# Allegro board RV1126B_mainboard.brd (continued)
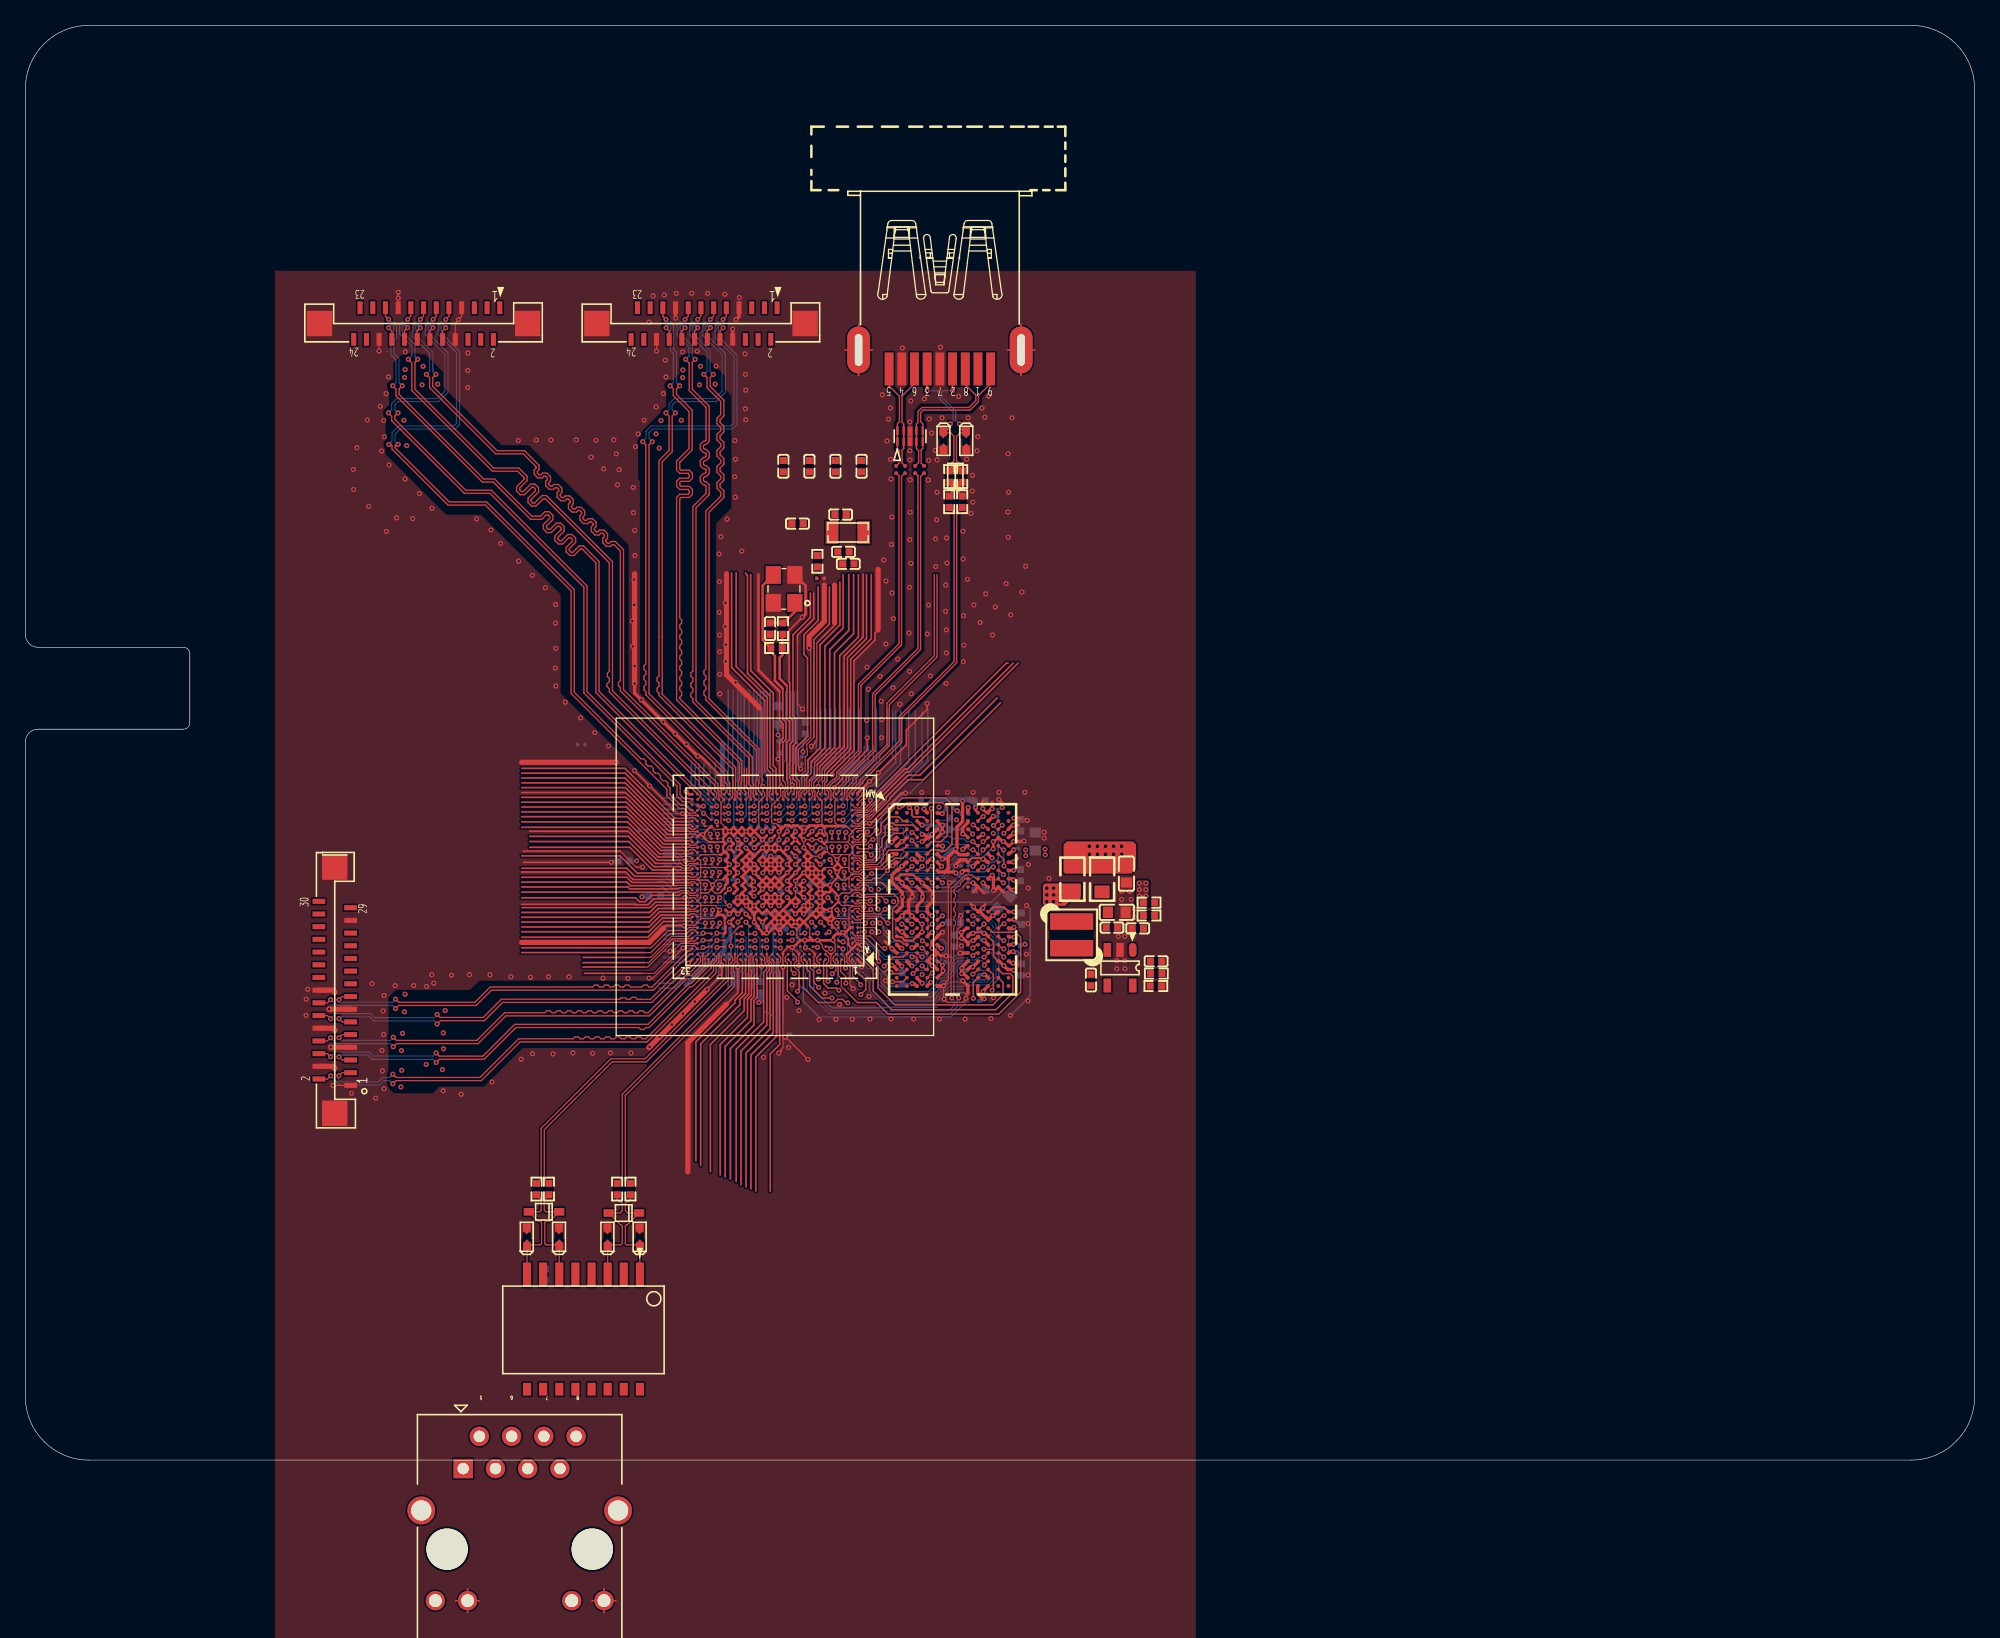
[diagram p0: board, top side]
## Routing (per net, layer and track width the routed paths; a pad name or vN(x,y) marks a point on that pad's centre or on a via; arc(x,y) is an arc through that point) (continued)
  TOP w0.097: 28.49,87.36 28.48,87.36 ; 57.84,59.25 58.01,59.08 58.01,53.17 58.08,53.1 v1(58.08,53.07) 58.08,53.05 58.1,53.02 58.1,52.71 ; v1(54.89,53.01) 54.89,53.01
  TOP w0.102: 29.36,92.01 v1(29.36,92.02) 29.36,92.02 29.36,92.01 ; U1000.1C2 64.02,41.61 63.67,41.96 U1000.1D3 ; J5400.16 24.22,37.03 24.22,37.03 ; 60.24,32.95 v1(61.62,31.57) ; J5400.4 23.25,31.03
  TOP w0.114: J2501.10 79.49,87.48 ; J2501.10 78.41,89.5 ; J2501.10 77.34,87.48 ; J2501.10 78.41,85.45 ; 45.56,-12.02 J6500.12 ; J6500.12 46.5,-11.08 ; J6500.12 45.56,-10.14 ; J6500.12 44.62,-11.08 ; 64.54,87.48 J2501.11 ; J2501.11 65.61,89.5 ; J2501.11 66.69,87.48 ; J2501.11 65.61,85.45 ; 65.19,37.2 v1(65.19,37.14) ; 33.88,-11.08 J6500.10 ; J6500.10 34.82,-10.14 ; J6500.10 34.82,-12.02 ; J6500.10 35.76,-11.08 ; v1(70.62,42.23) v1(70.62,41.61)
  TOP w0.127: 59.39,60.57 59.39,58.28 59.66,58.01 59.66,56.88 59.39,56.61 59.39,55.36 v1(59.26,55.23) 59.39,55.1 59.39,53.76 ; U1000.1V23 53.52,48.96 53.78,48.7 54.93,48.7 54.96,48.72 ; v1(53.68,37.08) v1(54.68,38.08) 54.83,38.24 v1(54.83,38.97) ; 52.16,50.78 51.91,50.78 v1(51.76,50.94) ; 39.21,47.99 46.83,47.99 ; v1(46.14,47.1) 39.21,47.1 ; 62.82,54.56 64.48,56.22 64.48,63.36 65.98,64.86 65.98,69.79 ; 60.8,64.5 60.8,65.01 62.07,66.28 62.07,68.31 ; 47.96,54.32 50.36,51.92 ; 52.22,45.74 47.85,45.74 47.25,46.34 39.08,46.34 ; 63.71,53.04 64.35,53.68 64.35,54 66.3,55.95 v1(66.3,56.91) ; v1(70.62,42.23) 70.54,42.23 U3300.P3 ; v1(63.53,54) 63.52,54.02 63.49,54.02 63.42,54.08 65.24,55.9 65.24,62.97 66.9,64.62 66.9,65.16 67.15,65.42 ; 51.53,47.27 49.75,47.27 47.47,49.55 39.72,49.55 ; 66.59,50.18 68.98,52.56 v1(69.31,52.56) ; U1000.1A10 60.02,40.39 59.65,40.02 U1000.B15 ; v1(57.97,38.92) 57.97,38.94 ; v1(61.18,66.41) 60.14,65.36 60.14,61.3 60.19,61.25 60.19,58.53 60.42,58.3 60.42,56.63 60.19,56.4 60.19,53.75 ; 54.89,52.92 54.78,53.03 54.78,53.87 53.83,54.82 ; 59.53,32.37 59.53,32.27 v1(59.33,32.06) ; 62.7,64.75 63.72,65.77 63.72,65.97 ; 52.22,49.3 50.58,49.3 47.28,52.6 39.08,52.6 ; 50.26,41.93 50.47,42.15 51.72,42.15 ; U3300.W11 76.24,39.69 76.24,40.84 U3300.T10 ; 55.21,35.93 56.1,36.81 v1(56.1,38.85) ; v1(71.01,59.62) 71.01,59.15 69.38,57.52 69.38,56.37 v1(67.17,54.16) ; 51.34,44.22 49.5,44.22 49.04,43.76 48.1,43.76 48.07,43.79 39.08,43.79
  TOP w0.152: U1000.2B13 55.07,42.65 55.07,42.11 U1000.2A13 ; v1(74.62,41.51) 74.7,41.58 75.34,41.58 75.42,41.51 v1(75.5,41.51) ; 54.77,44.76 55.07,45.06 55.07,45.26 U1000.2F13 ; U3300.G8 74.54,47.43 75.32,47.43 75.39,47.36 v1(75.42,47.36) ; U3300.J3 69.9,46.13 68.94,46.13 U3300.J1 ; v1(63.92,44.32) 63.92,44.31 64.02,44.2 U1000.1H2 63.97,43.96 63.36,43.35 v1(63.35,43.35) 63.52,43.18 U1000.1F3 ; U3300.T1 68.67,41.21 68.98,41.21 69.25,40.94 69.9,40.94 U3300.T3 ; v1(54.12,45.32) 54.13,45.31 54.13,45.06 U1000.1K22 ; v1(63.35,45.32) 63.38,45.32 U1000.1M2 ; U1000.C2 64.8,40.6 64.8,41.11 64.38,41.53 v1(64.38,41.58)
  TOP w0.169: 59.28,50.02 59.44,49.86 U1000.2N6
  TOP w0.178: 63.68,46.61 63.68,46.7 63.94,46.96 U1000.1P2 64.29,46.7 64.29,46.7 63.92,46.32 v1(63.92,46.32) ; 63.68,46.61 63.68,46.59 63.91,46.35 ; 63.68,46.61 63.91,46.38 63.91,46.35 ; U1000.AD31 52.93,49.11 53.11,49.28 53.34,49.28 53.37,49.32 ; 54.96,45.79 U1000.2G13 ; 54.67,47.71 54.81,47.71 55,47.91 U1000.2K13 54.94,48.1 54.94,48.37 U1000.2L13 54.96,48.72 54.96,49.04 U1000.2M13 54.96,49.37 54.96,49.69 U1000.2N13 ; 63.91,46.35 63.91,46.32 v1(63.92,46.32) ; 63.91,46.35 63.92,46.34 ; 63.91,46.35 63.91,46.35 ; U1000.B3 U1000.C2 U1000.D1 ; 63.32,45.34 63.35,45.32 v1(63.35,45.32) 63.35,45.13 U1000.1K3 63.91,44.57 63.91,44.32 v1(63.92,44.32) ; U3300.T12 77.48,41.2 v1(77.88,41.2) ; 53.37,49.32 53.38,49.32 54.02,49.96 U1000.1Y22 ; 53.37,49.32 53.37,49.28 53.37,49.28 53.37,49.11 53.52,48.96 U1000.1V23 ; v1(63.92,46.32) 63.92,46.32 63.92,46.06 U1000.1M2 ; U1000.AK31 53.06,51.5 53.37,51.5 v1(53.4,51.53) ; U1000.1F21 54.53,42.96 54.52,43.18 v1(54.68,43.34) ; U1000.1D3 63.52,42.14 63.35,42.31 v1(63.35,42.32) 63.35,42.32 63.35,42.34 63.69,42.68 63.52,42.85 U1000.1F3
  TOP w0.203: 57.73,69.79 57.73,62.24 59.39,60.57 ; v1(57.4,46.28) U1000.2H9 v1(57.4,46.93) ; v1(57.4,46.28) U1000.2G9 58.05,45.63 ; v1(57.4,46.28) U1000.2H10 ; U1000.2H10 56.75,46.93 ; U1000.2H10 v1(57.4,46.93) ; U1000.2H10 56.75,46.28 ; 56.75,46.93 U1000.2J10 ; 56.75,46.93 U1000.2J11 56.75,47.58 ; 56.75,46.93 U1000.2H11 56.75,46.28 ; U1000.2H2 v1(61.95,46.93) ; U1000.2H2 62.6,46.28 ; U1000.2H2 v1(61.95,46.28) ; v1(61.95,46.93) U1000.2J3 ; v1(61.95,46.93) U1000.2H3 ; v1(72.5,39.74) 72.04,39.74 U3300.V5 ; U1000.2C1 62.65,43.63 v1(62.6,43.63) ; U1000.2C1 63.34,43.36 ; U1000.2C1 62.6,43.03 ; v1(59.35,42.38) U1000.2A7 ; v1(59.35,42.38) U1000.2A6 ; v1(59.35,42.38) U1000.2B6 ; v1(59.35,42.38) U1000.2B7 ; U1000.2A7 58.7,42.38 ; U1000.2A7 58.49,41.53 v1(58.38,41.53) ; v1(76.22,48.16) v1(76.22,48.73) 76.29,48.73 U3300.D11 ; 59.35,45.63 U1000.2G6 v1(60,46.28) ; 59.35,45.63 U1000.2F7 ; 59.35,45.63 U1000.2F6 59.35,44.98 U1000.2F7 ; 59.35,45.63 U1000.2G7 58.7,45.63 ; 60,42.38 U1000.2B5 ; 60,42.38 U1000.2A5 v1(60.65,42.38) ; 60,42.38 U1000.2A6 ; 60,42.38 U1000.2B6 ; U1000.2B5 60,43.03 ; U1000.2B5 v1(60.65,42.38) ; v1(62.6,44.33) U1000.2D1 62.6,43.68 ; v1(62.6,44.33) U1000.2E1 ; v1(62.6,44.33) U1000.2E2 v1(62.6,44.98) ; 60,43.03 60,43.03 U1000.2C6 ; 60,43.03 U1000.2B6 ; 56.75,47.58 U1000.2K10 ; 56.75,47.58 U1000.2J10 ; U1000.2A6 59.48,41.87 59.48,41.55 v1(59.46,41.53) 59.02,41.96 ; v1(59.35,48.23) U1000.2K7 v1(58.7,48.23) ; v1(59.35,48.23) U1000.2K6 ; v1(59.35,48.23) U1000.2L7 v1(58.7,48.23) ; v1(60.65,45.63) U1000.2G4 v1(61.3,46.28) ; v1(56.1,44.33) U1000.2D11 ; v1(56.1,44.33) U1000.2D12 56.1,43.68 U1000.2D11 ; v1(56.1,44.33) U1000.2E11 ; U1000.2D11 56.75,43.68 v1(56.78,43.68) ; U1000.2D11 v1(56.75,44.33) U1000.2D10 ; 78.33,50.53 78.28,50.58 v1(77.84,50.58) ; U1000.2K6 U1000.2J5 v1(60,46.93) U1000.2H5 60,46.28 ; U1000.2K6 v1(60,48.23) ; v1(68.14,49.81) 68.2,49.81 68.22,49.79 68.25,49.79 68.32,49.71 U3300.C1 ; v1(58.05,44.98) U1000.2F9 58.05,45.63 ; v1(58.05,44.98) U1000.2E9 ; v1(58.05,44.98) U1000.2F8 ; U1000.1A10 60.04,40.43 60.35,40.43 v1(60.38,40.4) 60.46,40.4 U1000.1B8 61.38,40.96 v1(61.38,40.96) 61.38,40.96 U1000.1B6 ; v1(55.45,49.54) U1000.2N13 ; v1(55.45,49.54) U1000.2M12 56.1,49.53 ; v1(55.45,49.54) 55.45,49.53 U1000.2M13 ; v1(55.45,49.54) 55.77,49.86 U1000.2N12 56.1,49.53 ; U1000.2H3 v1(61.3,46.93) U1000.2J3 ; U1000.2H3 v1(61.3,46.28) ; U1000.2H3 v1(61.95,46.28) ; 61.3,42.38 U1000.2A4 v1(60.65,42.38) ; 61.3,42.38 U1000.2B4 60.65,42.38 ; 61.3,42.38 U1000.2B3 61.82,42.91 61.95,43.03 ; 61.3,42.38 U1000.2A3 ; U1000.AM32 52.24,52.47 52.04,52.67 v1(52.04,52.69) ; 61.3,49.53 U1000.2N3 61.76,50 62.13,50 U1000.2N2 62.41,50 62.73,50 62.76,50.02 U1000.2N1 63.02,49.96 U1000.1Y3 U1000.1Y2 U1000.1Y1 ; U1000.2F8 58.05,45.63 ; U1000.2F8 v1(58.7,44.98) U1000.2F7 ; U1000.2F8 58.7,45.63 ; 58.05,45.63 U1000.2G8 58.7,45.63 58.7,45.63 ; v1(57.4,42.38) U1000.2A9 57.72,41.92 58.02,41.62 U1000.1C14 58.31,41.46 v1(58.38,41.53) ; v1(56.75,49.53) U1000.2M10 57.4,49.53 ; v1(56.75,49.53) U1000.2N11 56.1,49.53 ; v1(56.75,49.53) U1000.2N10 57.4,49.53 ; v1(56.75,49.53) U1000.2M11 56.1,49.53 ; U1000.2B7 58.7,42.38 ; U1000.2B7 59.35,43.03 ; U1000.2B7 58.7,43.03 ; 58.7,42.38 U1000.2A8 58.37,41.54 v1(58.38,41.53) ; 62.6,43.03 U1000.2B2 61.95,43.03 ; 62.6,43.03 U1000.2B1 62.96,42.71 ; 62.6,43.03 U1000.2C2 ; v1(58.7,48.23) U1000.2L8 58.05,48.23 ; v1(58.7,48.23) U1000.2K8 v1(58.05,48.23) U1000.2K9 57.4,47.58 ; v1(65.85,38.87) 65.85,39.13 U1000.A1 ; U1000.2C2 62.54,43.63 v1(62.6,43.63) ; U1000.2C2 61.95,43.03 ; U1000.2F13 55.12,45.31 55.29,45.48 55.29,45.79 U1000.2G13 55.4,46.24 55.49,46.24 U1000.2H13 55.12,46.61 v1(55.45,46.93) ; U1000.2E11 56.75,44.98 U1000.2F11 56.75,45.63 U1000.2G11 56.75,46.28 ; U1000.2E11 56.75,44.33 ; v1(57.4,43.68) U1000.2C10 ; v1(57.4,43.68) U1000.2D10 ; v1(57.4,43.68) U1000.2C9 ; U1000.2C10 57.4,43.03 ; U1000.2C10 56.78,43.65 v1(56.78,43.68) ; U1000.2E1 63.02,44.75 63.32,44.75 U1000.1K3 ; U1000.2E1 v1(62.6,44.98) ; U1000.2F7 58.7,45.63 ; U1000.1B6 61.77,41.22 ; U1000.1B6 62.38,40.96 v1(62.38,40.96) 62.38,40.96 U1000.1B4 63.47,40.96 63.48,40.97 v1(63.61,40.97) 63.63,40.98 63.63,41.23 63.86,41.46 U1000.1C2 64.26,41.46 64.38,41.58 v1(64.38,41.58) 64.57,41.58 64.95,41.96 64.95,41.97 U1000.G2 ; U1000.2A13 55.12,41.56 U1000.1C20 ; U1000.2D5 v1(60.65,43.68) U1000.2D4 60.65,44.33 U1000.2D5 ; U1000.2D5 v1(60,44.33) ; U1000.2D5 60,43.68 ; 57.4,43.03 57.4,42.38 ; 57.4,43.03 U1000.2C9 ; U1000.2J3 61.3,47.58 U1000.2K3 ; U1000.2J3 61.95,47.58 U1000.2K3 ; U1000.2D10 56.78,43.72 v1(56.78,43.68) ; U1000.2K10 v1(56.75,48.23) ; U1000.2K10 57.4,47.58 ; v1(55.45,46.94) U1000.2J13 ; v1(55.45,46.93) 55.12,47.26 U1000.2J13 ; 62.6,43.68 U1000.2D2 ; 62.6,43.68 v1(62.6,43.63) ; U3300.D9 75.11,49.06 75.33,49.28 75.38,49.28 v1(75.4,49.31) ; v1(59.35,49.53) U1000.2N6 59.84,50.02 60.16,50.02 U1000.2N5 60.46,50 60.83,50 U1000.2N4 v1(61.3,49.53) U1000.2M4 v1(61.3,48.88) ; v1(62.6,46.28) U1000.2H1 ; v1(62.6,46.28) U1000.2G1 62.6,45.63 ; v1(62.6,46.28) U1000.2G2 ; v1(62.6,44.98) U1000.2F1 ; U1000.2J10 v1(57.4,46.93) ; U1000.2J10 57.4,47.58 ; U1000.2F1 63.35,45.31 ; U1000.2F1 62.6,45.63 ; U3300.E5 72.2,48.41 v1(72.23,48.38) ; v1(77.02,48.73) 77.09,48.73 U3300.E12 77.49,48.41 v1(77.82,48.73) ; U1000.1F21 54.87,42.96 U1000.2B13 ; v1(61.3,46.28) U1000.2G3 ; U3300.P12 77.83,42.56 v1(77.88,42.61) ; 62.6,45.63 U1000.2F2 ; 62.6,45.63 U1000.2G2 ; U1000.2C6 59.35,43.03 ; U1000.2C6 60,43.68 ; 59.35,43.03 U1000.2C7 58.7,43.03 ; 59.35,43.03 U1000.2B6 ; U1000.2L1 v1(62.6,48.88) ; 57.4,49.53 U1000.2M9 v1(58.05,48.88) U1000.2M8 ; 57.4,49.53 U1000.2N9 ; v1(52.94,55.46) 53.19,55.46 53.83,54.82 ; U1000.2J13 55.34,47.48 55.34,47.69 U1000.2K13 ; U1000.2K3 61.3,48.23 v1(61.3,48.26) ; v1(76.93,51.42) 76.93,51.78 v1(76.65,52.05) ; Y1100.2 61.43,68.91 61.43,66.66 v1(61.18,66.41) ; v1(61.95,46.28) U1000.2G3 ; v1(61.95,46.28) U1000.2G2 ; U1000.2C9 58.05,43.03 U1000.2C8 58.7,43.03 ; U1000.A32 v1(52.21,39.15) ; v1(65.85,40.57) 65.67,40.57 U1000.D1 ; v1(68.24,40.3) 68.24,40.33 67.68,40.89 ; 74.45,43.79 74.66,43.59 v1(74.66,43.59) 74.66,43.57 U3300.N9 75.32,43.51 v1(75.39,43.51) 75.39,43.58 75.6,43.79 ; v1(63.92,47.32) 63.92,47.32 63.91,47.31 63.92,47.31 63.92,47.06 U1000.1P2 ; 63.35,42.32 62.96,42.71 ; 62.96,42.71 63.27,42.71 U1000.1F3 ; U1000.2F2 61.95,45.63 ; U1000.2F2 62.6,44.98 ; 61.95,45.63 U1000.2G2 ; 61.95,45.63 U1000.2G3 ; 75.4,51.93 75.37,51.89 75.37,51.36 v1(75.39,51.33) 75.39,51.31 75.69,51.01 U3300.A10 ; v1(66.47,53.48) 65.53,52.54 U1000.AM1 ; 74.64,44.78 U3300.K9 75.49,44.69 ; v1(77.82,38.59) 77.79,38.59 77.73,38.66 U3300.Y12 ; U1000.2D9 57.4,43.68 ; v1(68.31,46.84) 68.34,46.84
  TOP w0.254: U3300.P1 68.69,42.56 v1(69.02,42.88) 69.34,43.21 U3300.N2 ; U3300.C12 77.42,49.73 77.72,50.03 v1(77.82,50.03) 78.19,50.03 78.2,50.02 ; U3300.G1 68.62,47.11 68.34,46.84 ; U1000.2K1 v1(62.6,47.58) ; U3300.V12 77.53,40.07 v1(77.79,40.07) ; v1(73.61,39.94) 73.82,39.94 73.83,39.96 U3300.V8 ; v1(77.82,45.71) 77.8,45.71 77.69,45.81 U3300.J12 ; U3300.J3 70.29,45.81 v1(70.62,45.48) 70.94,45.16 U3300.K4 71.45,44.73 v1(71.45,44.38) 71.45,44.03 71.02,43.6 U3300.N4 71.34,42.88 v1(71.42,42.88) ; U3300.J10 76.1,46.09 v1(76.14,46.09) 76.23,46 v1(76.23,44.88) 76.26,44.88 76.29,44.92 76.36,44.92 76.38,44.94 76.4,44.94 U3300.K11 77.03,44.75 ; v1(77.82,48.73) 78.31,48.73 78.33,48.75 ; U3300.T10 75.6,41.48 75.52,41.48 v1(75.5,41.51) ; v1(52.94,55.46) v1(51.19,57.22) v1(50.24,58.17) v1(48.51,59.9) 47.97,60.43 v1(47.97,61.19) ; v1(69.82,47.36) 69.84,47.33 70,47.33 U3300.G3 ; U3300.C5 v1(71.42,49.31) 71.17,49.06 U3300.D4 ; U3300.N9 75.17,43.21 U3300.P10 76.12,42.86 76.14,42.86 v1(76.19,42.91) 76.24,42.91 76.54,43.21 U3300.N11 ; U3300.Y12 77.34,38.66 77.05,38.95 v1(77.05,38.96) 77.04,38.96 76.69,39.31 U3300.W11 ; 74.22,36.77 U3300.AB8 v1(73.81,37.76) ; v1(70.62,48.73) 70.69,48.73 U3300.D4 ; v1(72.15,46.78) 72.14,46.78 U3300.G5 ; U3300.W9 75.02,39.27 v1(74.61,38.86) 74.42,38.86 U3300.Y8 ; U3300.AB10 75.44,36.98 75.44,36.94 ; 76.13,51.83 v1(76.13,51.32) 76.07,51.32 75.82,51.07 U3300.A10 ; U3300.AB3 70.17,37.36 69.98,37.55 v1(69.84,37.55) ; v1(74.62,45.48) 74.69,45.48 U3300.K9 ; U3300.G10 75.74,47.11 75.52,47.33 75.44,47.33 v1(75.42,47.36) ; v1(68.24,40.3) 68.26,40.28 68.29,40.28 U3300.V1 ; v1(72.22,41.58) 72.14,41.58 U3300.T5 71.39,40.83 v1(71.39,40.35) 71.43,40.35 U3300.V5 71.52,39.66 v1(71.42,39.66) 71.39,39.63 71.34,39.63 U3300.W4 71.09,39.31 71.42,38.98 v1(71.42,38.94) 71.53,38.94 U3300.Y5 ; v1(70.2,51.37) 70.22,51.35 U3300.A3 ; U3300.T8 74.47,41.51 v1(74.62,41.51) ; U3300.G8 74.04,47.29 73.63,47.29 73.23,46.9 73.23,46.89 v1(73.28,46.84) ; 78.14,47.42 78.12,47.43 77.82,47.13 v1(77.82,47.13) 77.79,47.11 U3300.G12 ; U3300.D4 70.8,49.28 70.64,49.28 v1(70.62,49.31) ; v1(77.02,48.73) 76.94,48.73 U3300.D11 ; U3300.W2 69.74,38.98 69.78,38.98 v1(69.82,38.94) ; U3300.J1 68.74,45.81 69.04,45.51 v1(69.04,45.49) 69.04,45.41 69.3,45.16 U3300.K2 69.85,44.73 v1(69.85,44.38) 69.56,44.09 69.56,43.35 U3300.N2 ; U3300.E1 68.94,48.73 v1(69.02,48.73) 69.09,48.73 U3300.D2 ; U3300.N2 69.49,43.21 v1(69.82,42.88) 70.14,42.56 U3300.P3 ; U3300.T3 70.54,41.58 70.59,41.58 v1(70.62,41.61) ; U3300.AB5 72.14,37.36 72.15,37.37 v1(72.31,37.37) ; U3300.Y1 68.29,38.98 v1(68.22,38.98) ; v1(55.96,89.87) 56.2,90.1 J4702.7 ; J4702.17 v1(51.2,89.99) ; U3300.E8 74.14,48.41 73.87,48.14 v1(73.82,48.14) ; J4702.8 v1(55.7,89.12)
  TOP w0.406: 55.21,35.93 52.16,32.88 52.16,22.72 ; 55.21,69.83 55.21,61.87 57.84,59.25 ; 49.09,32.5 v1(49.15,32.56) v1(49.95,33.35) v1(50.91,34.32) v1(51.78,35.19) v1(52.72,36.13) v1(53.68,37.08) ; 23.11,31.03 24.22,31.03 v1(24.36,30.88) ; 67.15,70.19 67.15,65.42 ; v1(47.97,61.19) v1(47.97,62.57) 47.97,69.83 ; 39.08,40.79 49.12,40.79 50.26,41.93 ; J5400.13 25.61,35.53 v1(23.91,35.53) ; 63.72,68.95 63.72,65.97 ; v1(24.36,36.88) 24.22,37.03 23.11,37.03 ; v1(61.71,63.99) 61.71,64.88 62.91,66.08 62.91,68.95 ; v1(24.37,33.89) 24.23,34.03 J5400.10 ; v1(24.04,32.53) J5400.7 25.61,32.53 ; 39.08,54.99 v1(46.5,54.99)
  L2_GND1 w0.091: J6500.12 45.56,-10.14 ; J6500.12 46.5,-11.08 ; J6500.12 44.62,-11.08 ; J6500.12 45.56,-12.02 ; 64.69,87.48 J2501.11 ; J2501.11 66.54,87.48 ; J2501.11 65.61,85.8 ; J2501.11 65.61,89.15 ; J6500.10 34.82,-10.14 ; J6500.10 33.88,-11.08 ; J6500.10 34.82,-12.02 ; J6500.10 35.76,-11.08 ; J2501.10 79.34,87.48 ; J2501.10 77.49,87.48 ; J2501.10 78.41,89.15 ; J2501.10 78.41,85.8
  L2_GND1 w0.127: v1(46.14,47.1) 46.7,47.1 47.08,46.72 v1(48.61,46.72) 51.5,46.72 v1(51.99,47.2)
  L3_POWER w0.091: 64.69,87.48 J2501.11 ; J2501.11 65.61,85.8 ; J2501.11 65.61,89.15 ; J2501.11 66.54,87.48 ; 33.88,-11.08 J6500.10 ; J6500.10 34.82,-12.02 ; J6500.10 34.82,-10.14 ; J6500.10 35.76,-11.08 ; J6500.12 46.5,-11.08 ; J6500.12 45.56,-10.14 ; J6500.12 45.56,-12.02 ; J6500.12 44.62,-11.08 ; J2501.10 79.34,87.48 ; J2501.10 78.41,89.15 ; J2501.10 77.49,87.48 ; J2501.10 78.41,85.8
  L4_S1 w0.089: 73.31,45.89 73.14,45.89 72.86,46.17 72.86,46.21 ; 75.02,46.09 75.02,46.85 75.25,47.08 75.66,47.08 ; 74.01,41.77 74.08,41.69 74.08,38.03 v1(73.81,37.76) ; 74.64,39.35 74.72,39.35 74.97,39.6 ; 74.84,43.16 74.97,43.04 ; 76.27,37.45 76.27,42.78 76.29,42.81 v1(76.19,42.91) ; 61.07,36.42 61.21,36.42 62.32,35.3 75.29,35.3 76.24,36.26 v1(76.24,36.43) ; v1(61.38,40.96) 61.38,40.45 v1(61.43,40.4) ; 75.66,47.08 76.01,47.08 ; 75.66,47.08 75.79,46.95 75.79,46.85 ; 75.79,46.85 75.79,46.34 75.91,46.21 ; 75.79,46.85 76.01,47.08 ; v1(72.33,36.33) 72.02,36.02 65.4,36.02 65.06,36.36 64.62,36.36 64.2,35.95 64.2,35.9 v1(64.1,35.9) 64.34,35.67 74.76,35.67 75.18,36.08 75.18,36.68 v1(75.42,36.92) ; 73.5,39.23 73.37,39.1 73.37,37.7 ; 74.97,43.04 74.97,43.04 74.97,41.17 ; 74.97,43.04 74.97,41.92 74.95,41.89 ; 74.97,41.17 74.97,39.6 ; 74.97,41.17 74.95,41.15 74.62,41.48 v1(74.62,41.51) ; 74.97,39.6 74.97,38.13 74.67,37.83 74.64,37.83 ; v1(77.05,38.96) 76.67,39.33 76.68,39.34 76.68,42.53 76.73,42.58 76.71,42.61 76.71,44.34 76.8,44.43 76.8,45.15 76.66,45.29 76.66,46.79 76.37,47.08 76.01,47.08
  L4_S1 w0.102: 60.42,36.31 60.53,36.42 61.07,36.42
  L4_S1 w0.104: 77.49,87.48 J2501.10 ; J2501.10 78.41,85.8 ; J2501.10 79.34,87.48 ; J2501.10 78.41,89.15 ; J6500.10 35.76,-11.08 ; J6500.10 34.82,-12.02 ; J6500.10 33.88,-11.08 ; J6500.10 34.82,-10.14 ; 45.56,-12.02 J6500.12 ; J6500.12 46.5,-11.08 ; J6500.12 44.62,-11.08 ; J6500.12 45.56,-10.14 ; J2501.11 65.61,89.15 ; J2501.11 66.54,87.48 ; J2501.11 65.61,85.8 ; J2501.11 64.69,87.48
  L5_GND2 w0.104: J6500.10 34.82,-10.14 ; J6500.10 35.76,-11.08 ; J6500.10 33.88,-11.08 ; J6500.10 34.82,-12.02 ; 78.41,85.8 J2501.10 ; J2501.10 79.34,87.48 ; J2501.10 77.49,87.48 ; J2501.10 78.41,89.15 ; J6500.12 46.5,-11.08 ; J6500.12 45.56,-10.14 ; J6500.12 45.56,-12.02 ; J6500.12 44.62,-11.08 ; J2501.11 65.61,89.15 ; J2501.11 65.61,85.8 ; J2501.11 66.54,87.48 ; J2501.11 64.69,87.48
  L6_S2 w0.089: v1(63.92,47.32) 64.34,47.74 64.81,47.74 65.69,48.61 65.69,49.83 67.59,51.74 ; 69.05,36.69 69.39,36.36 72.31,36.36 v1(72.33,36.33) ; 67.91,38.08 67.94,38.06 68.42,38.06 68.67,37.81 68.67,37.58
  L6_S2 w0.091: 78.41,85.8 J2501.10 ; J2501.10 78.41,89.15 ; J2501.10 79.34,87.48 ; J2501.10 77.49,87.48 ; 33.88,-11.08 J6500.10 ; J6500.10 35.76,-11.08 ; J6500.10 34.82,-10.14 ; J6500.10 34.82,-12.02 ; v1(70.58,52.61) 68.47,52.61 67.59,51.74 ; J2501.11 65.61,89.15 ; J2501.11 65.61,85.8 ; J2501.11 66.54,87.48 ; J2501.11 64.69,87.48 ; 45.56,-12.02 J6500.12 ; J6500.12 45.56,-10.14 ; J6500.12 44.62,-11.08 ; J6500.12 46.5,-11.08
  L7_GND3 w0.091: J2501.10 78.41,89.15 ; J2501.10 77.49,87.48 ; J2501.10 78.41,85.8 ; J2501.10 79.34,87.48 ; 44.62,-11.08 J6500.12 ; J6500.12 45.56,-12.02 ; J6500.12 45.56,-10.14 ; J6500.12 46.5,-11.08 ; 33.88,-11.08 J6500.10 ; J6500.10 35.76,-11.08 ; J6500.10 34.82,-10.14 ; J6500.10 34.82,-12.02 ; J2501.11 66.54,87.48 ; J2501.11 64.69,87.48 ; J2501.11 65.61,85.8 ; J2501.11 65.61,89.15
  BOTTOM w0.089: C3316.2 75.1,38.69 75.07,38.67 75.07,38.64 75.13,38.59 75.66,38.59 ; 73.23,46.78 73.27,46.82 ; 73.23,46.78 73.23,46.71 72.34,45.82 71.2,45.82 ; 73.23,46.78 73.24,46.78 ; 73.27,46.82 C3334.2 ; 73.27,46.82 v1(73.28,46.84) 73.23,46.89 73.23,46.9 73.47,47.14 75.12,47.14 75.32,47.33 75.39,47.33 v1(75.42,47.36) ; 64.38,41.53 63.97,41.12 63.97,39.86 ; 64.38,41.53 64.38,41.31 64.91,40.78 64.91,40.02 65.73,39.2 ; 64.38,41.53 v1(64.38,41.58) 64.38,41.58 64.33,41.58 64.01,41.89 63.85,41.89 63.43,42.32 v1(63.35,42.32) ; 56.99,50.53 56.99,50.11 C1808.2 ; v1(71.42,39.66) 71.09,39.66 70.96,39.79 ; 70.77,39.29 70.96,39.48 70.96,39.79 ; 64.72,45.83 63.57,45.83 63.35,45.61 v1(63.35,45.32) ; 64.72,45.83 64.6,45.7 63.74,45.7 v1(63.35,45.32) ; 64.72,45.83 64.86,45.83 65.2,46.17 65.91,46.17 65.94,46.2 v1(65.95,46.2) 65.99,46.17 66.03,46.17 66.31,45.89 68.16,45.89 68.72,46.45 70.96,46.45 ; 63.3,45.35 63.31,45.34 v1(63.35,45.32) ; v1(51.79,40.36) 51.53,40.1 ; 67.64,38.37 68.22,38.94 v1(68.22,38.98) 68.56,38.98 68.83,39.26 69.28,39.26 69.6,38.94 v1(69.82,38.94) ; 51.4,45.7 51.5,45.7 51.53,45.73 53.7,45.73 v1(54.12,45.32) 54.2,45.32 54.58,44.94 54.83,44.94 55.12,45.23 55.12,45.88 ; C1508.2 59.27,41.74 59.46,41.55 v1(59.46,41.53) 59.46,41.44 59.12,41.11 59.12,39.89 59.65,39.36 v1(59.65,38.85) ; 68.56,45.31 68.73,45.49 v1(69.04,45.49) 69.04,45.55 69.31,45.82 70.21,45.82 ; 68.56,45.31 68.55,45.3 ; 68.56,45.31 68.18,45.31 ; 63.97,39.35 63.97,39.86 ; 63.97,39.35 63.52,38.9 v1(63.47,38.9) ; 63.97,39.35 63.97,38.34 ; 63.97,39.86 64.97,38.87 64.97,38.49 64.96,38.48 64.96,38.43 ; v1(59.5,53.05) 59.4,53.15 59.4,53.58 ; 68.42,39.99 68.45,40.02 68.47,39.99 70.76,39.99 70.96,39.79 ; 70.83,47.74 71.09,47.74 ; 70.83,47.74 70.33,47.74 C3317.2 69.95,47.36 v1(69.82,47.36) 69.55,47.36 C3331.2 ; 70.83,47.74 70.96,47.61 ; v1(66.05,47.58) 66.4,47.23 66.92,47.23 67.71,48.02 67.71,48.7 68.02,49.02 68.74,49.02 v1(69.02,48.73) 69.14,48.73 69.4,48.47 69.97,48.47 70.2,48.71 70.2,48.73 v1(70.62,48.73) ; v1(63.35,45.32) 63.23,45.44 C1206.2 62.6,45.23 v1(62.6,44.98) 62.8,44.78 C1204.2 62.8,44.54 v1(62.6,44.33) 62.78,44.15 C1205.2 62.78,43.87 62.6,43.68 v1(62.6,43.63) 62.65,43.63 62.74,43.54 C1202.2 ; v1(63.35,45.32) 63.35,44.88 v1(63.92,44.32) 64.29,44.69 65.88,44.69 66.01,44.82 66.01,44.96 v1(66.03,44.98) ; 66.26,45.2 66.37,45.31 66.91,45.31 ; 70.21,45.82 71.2,45.82 ; 70.21,45.82 70.32,45.7 ; 71.2,45.82 71.09,45.7 ; 74,39.11 73.6,39.11 73.4,38.9 73.4,38.12 73.4,38.12 ; 70.04,38.94 70.41,39.31 70.42,39.3 70.74,39.3 ; 68.55,38.08 68.55,37.96 68.8,37.7 ; v1(66.03,43.57) 65.6,44 65.58,43.98 64.03,43.98 64.01,44 v1(63.35,43.35) 63.16,43.15 C1202.2 ; v1(72.15,46.78) 71.81,46.45 70.96,46.45 ; v1(72.15,46.78) 71.85,47.08 71.85,47.48 71.59,47.74 ; v1(72.15,46.78) 72.15,46.81 73.13,47.8 73.48,47.8 v1(73.82,48.14) ; 68.18,45.31 66.91,45.31 ; 68.18,45.31 68.29,45.2 ; v1(63.35,42.32) 63.87,42.84 64.8,42.84 65.17,42.46 65.17,41.42 65.85,40.74 v1(65.85,40.57) ; v1(63.35,42.32) 63.35,42.54 C1202.2 ; 71.59,47.74 71.09,47.74 ; 71.59,47.74 71.85,47.99 C3329.2 ; 71.09,47.74 70.96,47.61 ; 57.62,53.58 57.62,53.52 v1(58.08,53.07) ; 54.58,38.59 54.58,38.72 v1(54.83,38.97) ; 66.91,45.31 67.02,45.2 ; 70.96,46.45 70.96,47.61 ; 67.78,45.3 67.47,44.98 67.18,44.98 v1(67.18,44.98) ; v1(51.88,42.1) 52.61,42.83 54.12,42.83 54.21,42.91 C1111.2 54.68,43.11 v1(54.68,43.34) ; 71.85,50.4 72.48,50.4 ; v1(55.45,49.54) 55.44,49.54 C1604.2 54.89,48.98 53.79,48.98 53.47,49.3 v1(53.36,49.3) ; v1(70.62,49.31) 70.62,49.41 69.75,50.28 68.55,50.28 68.27,50 68.27,49.81 v1(68.14,49.81) 67.62,49.81 67.62,49.79 67.05,49.21 67.02,49.21 67.02,48.75 ; 75.11,43.29 74.04,43.29 v1(73.64,42.89) C3324.2 ; v1(51.96,44.33) 51.43,44.33 51.4,44.31 ; 77.44,40.12 77.44,41.18 C3327.2 ; v1(60.38,40.4) 60.41,40.37 60.41,39.75 60.9,39.25 v1(60.9,38.97)
  BOTTOM w0.102: 74.1,36.69 74.1,36.75 ; 73.66,39.94 v1(73.61,39.94) 73.45,39.94 72.75,39.24 72.75,38.55 72.41,38.21 71.85,38.21 71.67,38.03 71.14,38.03 71.09,38.08 70.96,37.96 70.96,37.45 ; 75.78,41.33 75.6,41.51 v1(75.5,41.51) ; 75.91,38.21 75.91,38.19 75.57,37.85 74.63,37.85 74.57,37.91 ; 75.11,43.29 75.79,43.29 76.67,42.4 ; 68.42,39.99 68.24,40.17 v1(68.24,40.3) ; v1(69.82,38.94) 70.04,38.94 ; 74,39.11 74.13,38.97
  BOTTOM w0.114: v1(67.17,54.16) 68.29,55.28 68.29,59.04 ; J6500.12 46.5,-11.08 ; J6500.12 44.62,-11.08 ; J6500.12 45.56,-10.14 ; J6500.12 45.56,-12.02 ; 65.61,85.45 J2501.11 ; J2501.11 65.61,89.5 ; J2501.11 64.54,87.48 ; J2501.11 66.69,87.48 ; 34.82,-12.02 J6500.10 ; J6500.10 35.76,-11.08 ; J6500.10 34.82,-10.14 ; J6500.10 33.88,-11.08 ; J2501.10 79.49,87.48 ; J2501.10 78.41,89.5 ; J2501.10 77.34,87.48 ; J2501.10 78.41,85.45 ; 63.97,38.34 63.97,37.96 63.9,37.88 v1(63.9,37.65) ; 65.73,39.2 65.75,39.18 65.75,39 65.85,38.9 v1(65.85,38.87) ; 64.96,38.43 64.96,38.36 64.94,38.34 64.94,38.31 64.97,38.31
  BOTTOM w0.127: 72.22,37.38 72.23,37.37 ; 72.23,37.37 72.2,37.37 71.32,36.48 70.4,36.48 ; 72.23,37.37 v1(72.31,37.37) 72.33,37.4 72.33,37.48 72.38,37.53 72.69,37.53 72.84,37.68 73.73,37.68 v1(73.81,37.76) ; v1(54.46,41.52) 53.81,40.87 53.81,40.22 53.59,39.99 53.05,39.99 v1(52.21,39.15) ; 57.62,60.56 57.62,53.58 ; v1(51.76,50.94) 50.26,50.94 ; v1(59.26,55.23) 59.28,55.23 59.4,55.36 59.4,55.71 ; v1(77.56,35.04) 79.14,36.61 79.14,43.39 v1(78.83,43.7) ; 67.66,35.68 67.64,35.65 63.49,35.65 62.1,37.04 62.1,38.77 62.17,38.84 v1(62.17,38.97) ; 71.81,35.67 67.53,35.67 67.53,35.68 ; 60.55,60.56 60.55,54.9 60.39,54.75 v1(60.39,53.2) ; v1(46.14,47.1) 46.27,47.23 C1004.2 ; 56.35,60.69 56.35,53.07 56.99,52.44 56.99,50.53 ; 79.06,46.85 78.99,46.92 v1(78.99,46.92) ; 50.26,47.86 51.33,47.86 v1(51.99,47.2) ; 50,44.43 50.13,44.31 51.4,44.31 ; 67.4,50.28 67.4,50.11 67.7,49.81 ; 67.4,50.28 65.88,50.28 65.2,49.6 65.2,46.17 ; 67.4,50.28 67.4,50.78 69.05,52.44 69.18,52.44 v1(69.31,52.56) 69.69,52.56 71.59,54.47 71.59,58.47 ; 49.88,46.21 50.6,46.21 51.11,45.7 51.4,45.7 ; 55.97,37.2 55.97,38.72 v1(56.1,38.85) ; 72.34,36.2 72.34,36.31 72.84,36.81 73.97,36.81 74.1,36.69 74.1,36.43 74.08,36.41 v1(74.08,36.38) ; 50.26,50.3 52.17,50.3 53.07,49.4 53.26,49.4 v1(53.36,49.3) ; v1(57.97,38.92) 57.97,38.27 57.88,38.18 C1017.2 ; 76.67,42.4 76.65,42.38 76.65,37.93 76.1,37.39 ; v1(69.84,37.55) 69.82,37.53 69.33,37.53 69.12,37.32 68.16,37.32 67.92,37.56 67.92,38.09 65.85,40.15 v1(65.85,40.57) ; 51.53,40.1 51.52,40.09 v1(50.77,40.09) ; 59.68,34.53 59.68,38.82 v1(59.65,38.85) ; v1(50.77,40.09) 50.77,40.13 ; v1(50.77,40.09) 50.26,40.09 ; 74.13,36.18 72.86,34.91 62.5,34.91 61.26,36.15 61.26,37.12 60.9,37.48 v1(60.9,38.97) ; v1(62.43,53.07) 62.4,53.12 ; 55.79,49.87 55.45,49.54 v1(55.45,49.54) ; 55.79,49.87 C1605.2 ; 55.79,49.87 55.79,52.05 54.89,52.95 v1(54.89,53.01) ; 50.26,42.06 51.88,42.06 v1(51.88,42.1) ; 67.1,54.08 66.49,53.48 v1(66.47,53.48) ; 64.48,59.17 64.48,55.14 63.53,54.19 v1(63.53,54) ; v1(61.05,54.47) 61.16,54.57 C1112.2 ; 59.4,55.1 59.4,53.58 ; 54.58,38.35 54.58,38.59
  BOTTOM w0.152: v1(76.22,48.16) 76.14,48.08 76.01,48.08 75.42,47.5 v1(75.42,47.36)
  BOTTOM w0.203: v1(55.45,46.93) 55.14,47.24 C1600.2 ; C1603.2 55.21,46.52 v1(55.45,46.28) 55.12,45.95 55.12,45.88 ; v1(77.79,40.07) 77.83,40.1 78.09,40.1 C3333.2
  BOTTOM w0.254: C3337.2 68.38,46.92 68.31,46.85 v1(68.31,46.84) ; C3307.2 78.26,50.47 v1(77.82,50.03) ; C3307.2 78.83,50.47 v1(78.9,50.4) ; C3307.2 78.28,50.58 v1(77.84,50.58) ; v1(77.88,42.61) 78.28,42.21 C3321.2 ; C3305.2 78.2,38.21 v1(77.82,38.59) ; v1(69.02,48.73) 68.66,48.37 C3311.2 ; 75.38,49.28 v1(75.4,49.31) 75.38,49.31 ; v1(74.62,41.51) 74.54,41.51 74.44,41.41 C3335.2 ; C3314.2 75.16,41.76 75.42,41.51 v1(75.5,41.51) ; v1(77.82,48.73) 77.83,48.75 C3338.2 78.63,48.75 v1(78.64,48.77) ; C3329.2 72.23,48.01 v1(72.23,48.38) ; v1(72.78,45.5) 72.79,45.5 72.79,45.5 73.04,45.5 C3326.2 ; v1(77.88,41.2) 77.84,41.2 77.8,41.24 C3327.2 ; v1(69.02,42.88) 69.02,42.87 C3330.2 69.42,42.49 v1(69.82,42.88) ; 60.32,33.56 60.08,33.56 v1(59.83,33.32) ; v1(74.62,45.48) 74.76,45.34 74.76,44.89
  BOTTOM w0.406: v1(54.89,53.01) 54.89,54.79 54.89,54.79 54.89,56.47
  vias: v1(22.11,36.32) v1(22.09,35.04) v1(22.23,37.09) v1(25.68,28.9) v1(25.83,78.06) v1(25.85,76.48) v1(26.11,79.77) v1(26.92,81.97) v1(27.04,75.15) v1(27.31,37.54) v1(27.58,28.52) v1(27.95,83.03) v1(28.06,79.5) v1(28.17,35.4) v1(28.08,32.27) v1(28.12,30.66) v1(28.21,81.91) v1(28.25,36.61) v1(28.21,33.53) v1(28.25,29.27) v1(28.27,80.63) v1(28.41,84.04) v1(28.42,73.18) v1(28.6,85.35) v1(28.65,78.42) v1(29.12,37.39) v1(29.23,74.24) v1(29.57,29.4) v1(29.61,32.27) v1(29.64,30.71) v1(29.7,33.63) v1(29.86,85.31) v1(29.81,81.93) v1(29.85,35.33) v1(29.92,87.32) v1(29.9,85.93) v1(29.91,77.31) v1(29.9,36.71) v1(30.03,79.93) v1(30.5,74.19) v1(30.57,37.39) v1(31.03,76.15) v1(31.24,84.73) v1(31.32,86.18) v1(31.56,31.18) v1(31.58,37.32) v1(32.01,74.99) v1(32,38.24) v1(32.16,37.58) v1(32.47,84.78) v1(32.84,30.77) v1(32.91,33.66) v1(32.93,32.41) v1(32.9,29.11) v1(33.06,35.42) v1(33.55,38.2) v1(34.32,28.82) v1(34.84,87.23) v1(34.84,85.86) v1(34.83,84.52) v1(34.97,38.24) v1(35.53,74.17) v1(36.66,73.29) v1(36.58,38.23) v1(36.74,29.8) v1(37.42,72.23) v1(38.23,38.09) v1(38.82,80.34) v1(38.84,70.84) v1(39.04,31.59) v1(39.78,38.05) v1(39.91,69.71) v1(39.94,32.01) v1(40.23,80.38) v1(40.94,68.74) v1(41.2,38.09) v1(41.39,80.37) v1(41.55,32.01) v1(41.75,67.41) v1(41.75,65.94) v1(41.77,63.96) v1(41.73,62.4) v1(41.77,60.99) v1(42.52,59.72) v1(42.81,38.08) v1(43.11,32.08) v1(43.37,80.39) v1(43.73,58.49) v1(44.54,79.02) v1(44.67,32.04) v1(44.84,57.33) v1(44.93,80.35) v1(45.54,78.1) v1(45.49,37.98) v1(45.91,56.27) v1(46.08,32.08) v1(46.34,80.39) v1(46.53,79.28) v1(46.63,76.84) v1(46.76,78.04) v1(47.44,37.96) v1(47.69,32.07) v1(47.86,76.64) v1(47.79,66.1) v1(47.81,64.11) v1(47.88,74.65) v1(47.93,69.38) v1(47.95,67.39) v1(48.04,79.86) v1(47.98,73.26) v1(48,71.27) v1(48.26,80.86) v1(48.73,81.93) v1(49.12,89.66) v1(49.11,37.97) v1(49.44,91.73) v1(49.67,82.99) v1(49.66,80.86) v1(49.92,79.74) v1(50.06,81.91) v1(50.25,84.04) v1(50.31,91.8) v1(50.39,86.66) v1(50.44,85.35) v1(51.26,91.92) v1(51.65,81.93) v1(51.76,87.32) v1(51.76,85.3) v1(51.78,85.9) v1(52.05,56.41) v1(52.47,91.94) v1(52.9,87.37) v1(53.17,86.18) v1(53.08,84.73) v1(53.73,91.92) v1(54.32,84.78) v1(54.39,86.2) v1(54.63,71.4) v1(54.66,69.22) v1(54.64,66.8) v1(54.77,72.76) v1(54.67,65) v1(54.67,63.7) v1(54.67,61.93) v1(54.68,60.37) v1(55.08,91.86) v1(55.13,67.56) v1(55.11,65.68) v1(55.14,64.25) v1(55.14,62.93) v1(55.25,74.14) v1(55.86,77.49) v1(55.87,80.33) v1(55.92,78.86) v1(55.9,75.87) v1(55.93,61.28) v1(56.23,91.61) v1(56.41,71.63) v1(56.67,87.17) v1(56.7,85.53) v1(56.73,84.3) v1(56.7,82.84) v1(56.73,81.97) v1(56.75,48.88) v1(58.13,31.73) v1(59.96,36.46) v1(60.1,32.5) v1(60.37,37.45) v1(60.93,35.42) v1(62.45,37.91) v1(62.5,34.71) v1(62.96,36.79) v1(63.82,34.73) v1(65.12,34.73) v1(66.26,58.28) v1(66.27,62.47) v1(66.39,60.74) v1(66.44,36.54) v1(66.51,34.76) v1(66.65,41.62) v1(66.72,42.31) v1(66.82,39.74) v1(67.15,43.4) v1(67.3,61.75) v1(67.39,59.79) v1(67.43,58.34) v1(67.42,56.92) v1(67.48,83.94) v1(67.58,70.92) v1(67.76,64.31) v1(67.73,37.78) v1(67.86,80.3) v1(67.77,69.26) v1(67.97,82.02) v1(67.92,41.62) v1(68.06,51.55) v1(68.12,82.91) v1(68.13,78.85) v1(68.17,77.3) v1(68.17,34.76) v1(68.23,74.3) v1(68.2,72.15) v1(68.25,68.33) v1(68.35,66.3) v1(68.32,60.86) v1(68.37,44) v1(68.69,63.11) v1(68.86,59.56) v1(69.07,87.63) v1(69.64,81.8) v1(69.65,79.54) v1(69.67,78.82) v1(69.65,72.52) v1(69.62,68.77) v1(69.58,65.19) v1(69.63,62.15) v1(69.73,83.46) v1(69.68,77.24) v1(69.68,74.68) v1(69.73,70.66) v1(69.77,60.38) v1(69.94,34.76) v1(70.62,38.26) v1(70.79,83.62) v1(71.03,65.1) v1(71.13,78.77) v1(71.1,77.22) v1(71.12,67.36) v1(71.18,82.04) v1(71.27,61.79) v1(71.37,80.92) v1(71.65,79.56) v1(71.76,74.1) v1(71.67,72.59) v1(71.68,70.4) v1(71.8,78.81) v1(71.79,76.26) v1(71.95,51.45) v1(72.06,87.69) v1(71.98,34.76) v1(72.19,82.13) v1(72.47,68.95) v1(72.46,66.87) v1(72.54,72.67) v1(72.53,65.42) v1(72.53,63.6) v1(72.49,61.19) v1(72.57,70.69) v1(72.61,52.61) v1(73.32,50.45) v1(73.49,83.81) v1(73.71,40.52) v1(73.83,73.19) v1(73.84,71.01) v1(73.87,66.53) v1(73.86,62.91) v1(73.9,64.21) v1(74.01,34.76) v1(74.12,78.87) v1(74.24,82.13) v1(74.19,69.4) v1(74.46,74.59) v1(74.57,76.35) v1(74.58,77.6) v1(74.61,75.48) v1(74.64,52.61) v1(74.7,67.38) v1(74.93,79.53) v1(75,80.64) v1(75.19,66) v1(75.34,82.9) v1(75.56,82.16) v1(75.62,68.26) v1(75.86,83.84) v1(76.04,34.78) v1(76.16,65.01) v1(76.22,49.38) v1(76.38,67.22) v1(76.67,52.61) v1(77.23,69.07) v1(77.39,79.28) v1(77.42,76.26) v1(77.38,74.7) v1(77.4,72.72) v1(77.6,66.6) v1(77.7,82.13) v1(78.49,68.4) v1(78.76,70.43) v1(78.71,52.61) v1(78.83,39.86) v1(78.96,42.28) v1(78.96,38.21) v1(78.96,36.18) v1(78.99,45.07) v1(80.23,49.48) v1(80.23,49.01) v1(80.61,45.83) v1(85.95,39.35) v1(85.95,38.72) v1(86.07,41.26) v1(86.33,44.82) v1(86.33,44.18) v1(86.58,42.4) v1(86.58,41.26) v1(86.58,39.35) v1(86.58,38.72) v1(86.96,44.82) v1(87.09,44.18) v1(87.22,41.26) v1(87.34,43.42) v1(87.34,42.78)
